# Allegro board 20250806_UNOQ.brd (continued)
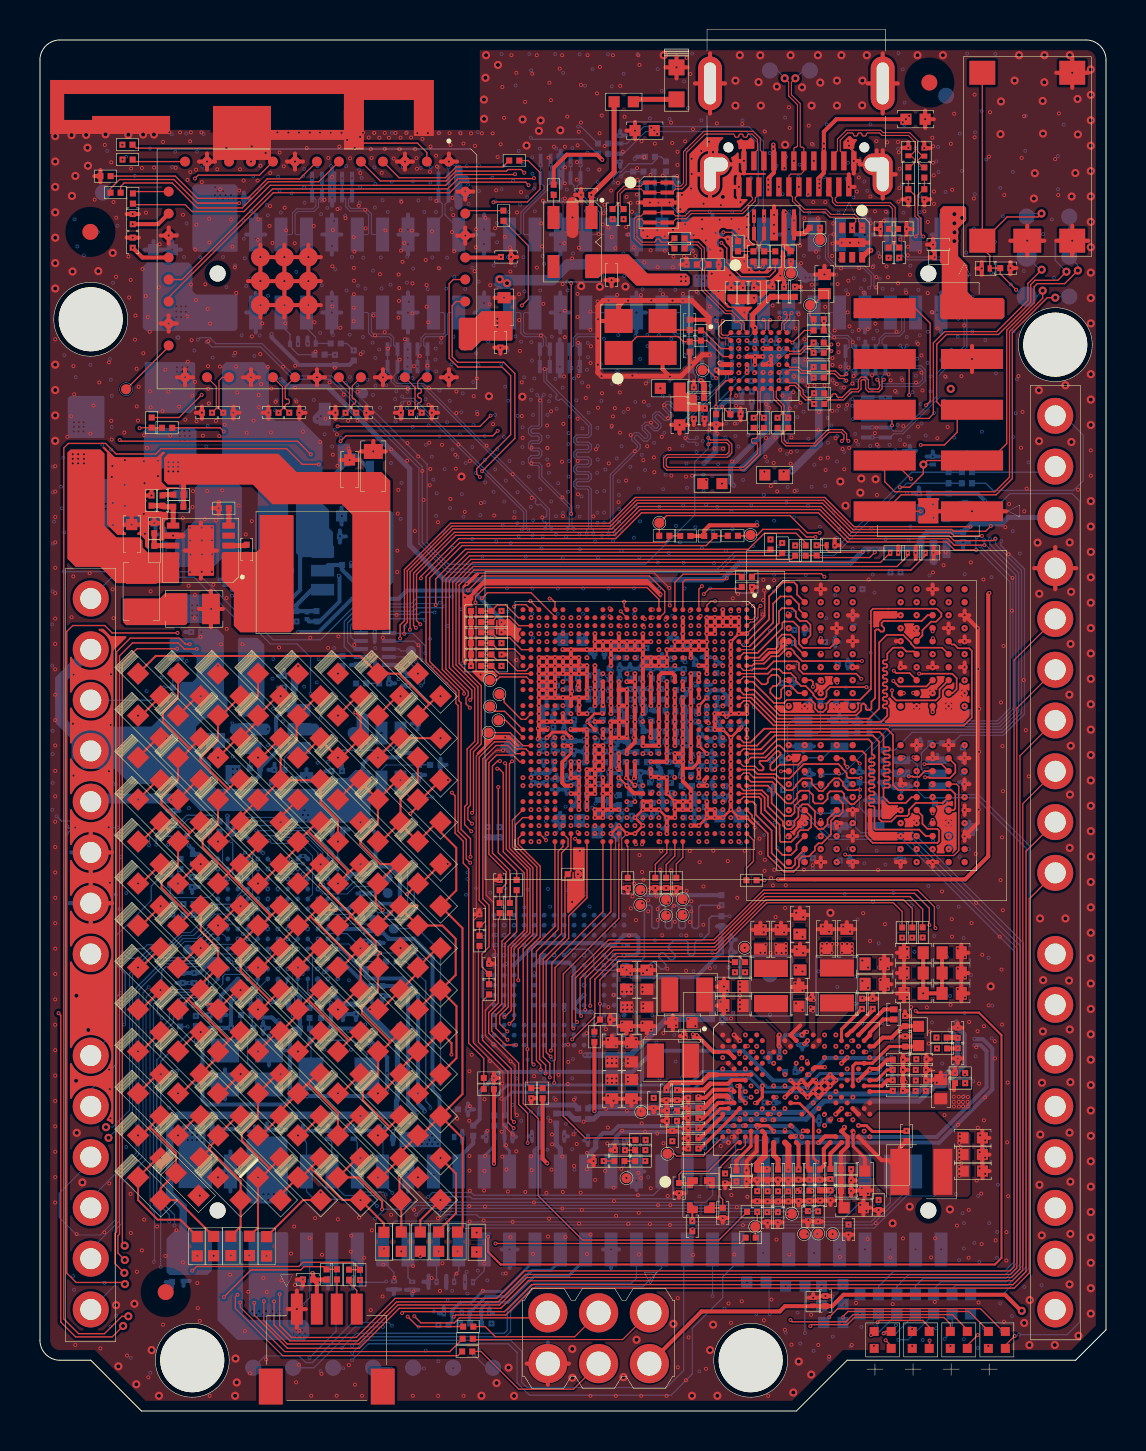
[diagram p0: board, top side]
## Placement (name value [footprint] x y rotation side) (continued)
NOREF#421  -  []  19.33 6.3 90 top
NOREF#422  -  []  32.06 31.42 0 top
NOREF#423  -  []  33.38 13.84 0 top
NOREF#424  -  []  37.54 6.75 0 top
NOREF#425  -  []  29.68 37.63 0 top
NOREF#426  -  []  7.16 19.18 90 top
NOREF#427  -  []  37.77 38.26 0 top
NOREF#428  -  []  32.64 32.67 0 top
NOREF#429  -  []  31.09 37.5 90 top
NOREF#430  -  []  10.59 14.09 0 top
NOREF#431  -  []  18.75 5.94 90 top
NOREF#432  -  []  39.81 31.53 0 top
NOREF#433  -  []  35.56 49.73 0 top
NOREF#434  -  []  6.75 36.49 0 top
NOREF#435  -  []  28.43 19.28 90 top
NOREF#436  -  []  44.21 22.16 0 top
NOREF#437  -  []  29.04 34.07 0 top
NOREF#438  -  []  16.17 41.24 0 top
NOREF#439  -  []  49.55 3.56 0 top
NOREF#440  -  []  9.5 38.04 90 top
NOREF#441  -  []  33.66 32.96 90 top
NOREF#442  -  []  22.69 38.14 0 top
NOREF#443  -  []  30.67 18.33 90 top
NOREF#444  -  []  38.78 10.04 0 top
NOREF#445  -  []  39.14 50.07 90 top
NOREF#446  -  []  28.23 33.13 0 top
NOREF#447  -  []  29.14 62.37 90 top
NOREF#448  -  []  34.01 9.61 90 top
NOREF#449  -  []  23.47 55.71 90 top
NOREF#450  -  []  26.36 33.57 0 top
NOREF#451  -  []  51.05 59.19 0 top
NOREF#452  -  []  37.3 11.04 0 top
NOREF#453  -  []  19.12 31.76 90 top
NOREF#454  -  []  43.23 15.87 90 top
NOREF#455  -  []  32.06 38.17 90 top
NOREF#456  -  []  35.52 40.92 90 top
NOREF#457  -  []  44.82 42.77 90 top
NOREF#458  -  []  12.96 18.98 90 top
NOREF#459  -  []  32.67 18.33 0 top
NOREF#460  -  []  9.19 19.77 90 top
NOREF#461  -  []  36.78 11.53 90 top
NOREF#462  -  []  15 29.64 0 top
NOREF#463  -  []  11.56 64.08 90 top
NOREF#464  -  []  11.45 31.48 0 top
NOREF#465  -  []  43.3 62.26 0 top
NOREF#466  -  []  34.16 13.43 90 top
NOREF#467  -  []  16.46 23.45 90 top
NOREF#468  -  []  33.86 57.05 90 top
NOREF#469  -  []  35.72 13.24 90 top
NOREF#470  -  []  40.64 11.38 90 top
NOREF#471  -  []  6.96 37.6 90 top
NOREF#472  -  []  41.45 32 0 top
NOREF#473  -  []  28.72 13.2 90 top
NOREF#474  -  []  33.32 35.31 0 top
NOREF#475  -  []  41.81 10.61 0 top
NOREF#476  -  []  31.21 61.28 0 top
NOREF#477  -  []  7.65 19.81 0 top
NOREF#478  -  []  39.59 24.12 90 top
NOREF#479  -  []  38.35 12.13 0 top
NOREF#480  -  []  34.5 34.51 0 top
NOREF#481  -  []  21.34 6.26 90 top
NOREF#482  -  []  34.25 25.25 90 top
NOREF#483  -  []  16.51 25.93 90 top
NOREF#484  -  []  36.62 51.25 0 top
NOREF#485  -  []  43.21 23.17 90 top
NOREF#486  -  []  27.65 12.65 90 top
NOREF#487  -  []  34.63 23.73 90 top
NOREF#488  -  []  43.05 42.77 90 top
NOREF#489  -  []  18.46 5.95 0 top
NOREF#490  -  []  28.54 31.51 90 top
NOREF#491  -  []  13.28 53.56 0 top
NOREF#492  -  []  33.38 21.63 0 top
NOREF#493  -  []  34.03 23.73 0 top
NOREF#494  -  []  35.42 13.84 0 top
NOREF#495  -  []  43.4 47.64 90 top
NOREF#496  -  []  14.49 6.53 90 top
NOREF#497  -  []  16.45 23.37 0 top
NOREF#498  -  []  35.71 8.37 90 top
NOREF#499  -  []  28.66 62.62 0 top
NOREF#500  -  []  10.56 43.93 90 top
NOREF#501  -  []  42.58 43.05 0 top
NOREF#502  -  []  40.25 62.67 0 top
NOREF#503  -  []  23.87 75.64 0 top
NOREF#504  -  []  41.25 63.21 0 top
NOREF#505  -  []  34.2 21.48 90 top
NOREF#506  -  []  21.24 13.55 90 top
NOREF#507  -  []  38.88 10.49 90 top
NOREF#508  -  []  25.25 59.63 0 top
NOREF#509  -  []  32.03 31.65 90 top
NOREF#510  -  []  33.58 21.03 0 top
NOREF#511  -  []  34 30.01 0 top
NOREF#512  -  []  7.6 50.87 0 top
NOREF#513  -  []  34.16 18.53 0 top
NOREF#514  -  []  33.68 13.24 90 top
NOREF#515  -  []  5.43 57.11 0 top
NOREF#516  -  []  46.26 40.46 90 top
NOREF#517  -  []  15.9 37.12 90 top
NOREF#518  -  []  14.74 50.09 90 top
NOREF#519  -  []  44.84 57.52 90 top
NOREF#520  -  []  31.59 61.55 0 top
NOREF#521  -  []  38.35 11.07 0 top
NOREF#522  -  []  12.98 39.45 90 top
NOREF#523  -  []  35.78 9.66 90 top
NOREF#524  -  []  20.99 5.07 0 top
NOREF#525  -  []  22.16 4.72 90 top
NOREF#526  -  []  3.79 0.96 90 top
NOREF#527  -  []  1.61 50.28 0 top
NOREF#528  -  []  20.99 4.75 90 top
NOREF#529  -  []  4.23 63.64 0 top
NOREF#530  -  []  30.49 4.91 90 top
NOREF#531  -  []  36.19 52.56 90 top
NOREF#532  -  []  4.79 58.74 0 top
NOREF#533  -  []  30.6 61.7 90 top
NOREF#534  -  []  10.62 14.09 0 top
NOREF#535  -  []  28.45 37.29 0 top
NOREF#536  -  []  24.85 57.53 90 top
NOREF#537  -  []  7.1 4.77 0 top
NOREF#538  -  []  43.94 45.06 0 top
NOREF#539  -  []  43.93 45.74 0 top
NOREF#540  -  []  21.97 37.54 90 top
NOREF#541  -  []  37.81 11.53 90 top
NOREF#542  -  []  6.21 49.48 0 top
NOREF#543  -  []  6.51 48.88 90 top
NOREF#544  -  []  40.55 39.2 0 top
NOREF#545  -  []  46.47 3.06 90 top
NOREF#546  -  []  32.99 13.79 0 top
NOREF#547  -  []  31.65 30.77 0 top
NOREF#548  -  []  12.99 14.13 0 top
NOREF#549  -  []  30.19 12.2 90 top
NOREF#550  -  []  26.34 13.58 90 top
NOREF#551  -  []  21.97 39.72 90 top
NOREF#552  -  []  40.67 18.81 0 top
NOREF#553  -  []  11.87 20.6 0 top
NOREF#554  -  []  10.03 64.55 90 top
NOREF#555  -  []  20.62 13.55 0 top
NOREF#556  -  []  30.67 62.44 90 top
NOREF#557  -  []  17.14 45.18 90 top
NOREF#558  -  []  37.58 29.56 0 top
NOREF#559  -  []  7.18 27.06 90 top
NOREF#560  -  []  39 55.87 0 top
NOREF#561  -  []  43.3 61.66 90 top
NOREF#562  -  []  32.31 34.63 90 top
NOREF#563  -  []  27.08 35.59 90 top
NOREF#564  -  []  27.78 34.51 90 top
NOREF#565  -  []  35.74 11.53 90 top
NOREF#566  -  []  32.65 19.68 0 top
NOREF#567  -  []  19.33 6.62 0 top
NOREF#568  -  []  28.5 59.57 90 top
NOREF#569  -  []  35.32 55.63 0 top
NOREF#570  -  []  31.09 44.08 0 top
NOREF#571  -  []  30.74 33.34 90 top
NOREF#572  -  []  43.44 19.81 90 top
NOREF#573  -  []  43.5 24.23 0 top
NOREF#574  -  []  39.39 14.38 90 top
NOREF#575  -  []  29.32 13.2 0 top
NOREF#576  -  []  35.41 8.97 0 top
NOREF#577  -  []  37.3 10.44 90 top
NOREF#578  -  []  44.1 61.16 0 top
NOREF#579  -  []  31.5 65.61 0 top
NOREF#580  -  []  13.05 49.05 0 top
NOREF#581  -  []  38.87 11.53 90 top
NOREF#582  -  []  34.54 15.42 90 top
NOREF#583  -  []  43.71 44.63 0 top
NOREF#584  -  []  34.13 11.93 0 top
NOREF#585  -  []  34.44 31.3 0 top
NOREF#586  -  []  7.52 38.81 90 top
NOREF#587  -  []  29.56 26.12 90 top
NOREF#588  -  []  31.79 14.05 90 top
NOREF#589  -  []  42.26 21.1 90 top
NOREF#590  -  []  45.77 18.19 0 top
NOREF#591  -  []  42.57 20.14 0 top
NOREF#592  -  []  22.25 28.65 0 top
NOREF#593  -  []  34.57 51.14 0 top
NOREF#594  -  []  44.47 5.84 0 top
NOREF#595  -  []  16.92 36.25 90 top
NOREF#596  -  []  45.26 18.38 90 top
NOREF#597  -  []  26.67 39.12 90 top
NOREF#598  -  []  45.29 17.84 90 top
NOREF#599  -  []  41.28 20.67 90 top
NOREF#600  -  []  29.98 33.33 0 top
NOREF#601  -  []  11.79 40.34 0 top
NOREF#602  -  []  28.68 35.21 0 top
NOREF#603  -  []  35.88 55.64 0 top
NOREF#604  -  []  21.12 4.67 0 top
NOREF#605  -  []  11.52 43.17 0 top
NOREF#606  -  []  14.11 45.02 0 top
NOREF#607  -  []  38.56 5.78 0 top
NOREF#608  -  []  40.22 9.92 0 top
NOREF#609  -  []  45.32 16.6 90 top
NOREF#610  -  []  38.29 18.86 0 top
NOREF#611  -  []  43.1 31.9 90 top
NOREF#612  -  []  26.87 32.97 90 top
NOREF#613  -  []  21.58 3.92 90 top
NOREF#614  -  []  27.21 32.83 90 top
NOREF#615  -  []  19.33 6.34 0 top
NOREF#616  -  []  30.61 30.78 0 top
NOREF#617  -  []  17.34 41.32 90 top
NOREF#618  -  []  26.2 31.64 90 top
NOREF#619  -  []  40.43 5.34 90 top
NOREF#620  -  []  5.43 58.11 90 top
NOREF#621  -  []  40.45 33.9 0 top
NOREF#622  -  []  44.97 4.84 90 top
NOREF#623  -  []  29.7 55.33 0 top
NOREF#624  -  []  42.31 58.24 0 top
NOREF#625  -  []  3.63 61.24 0 top
NOREF#626  -  []  4.79 59.92 0 top
NOREF#627  -  []  26.77 37.21 90 top
NOREF#628  -  []  23.47 54.71 0 top
NOREF#629  -  []  27.29 13.41 90 top
NOREF#630  -  []  29.1 19.23 90 top
NOREF#631  -  []  1.06 49.93 0 top
NOREF#632  -  []  35.86 49.13 90 top
NOREF#633  -  []  17.84 5.96 90 top
NOREF#634  -  []  40.47 61.23 90 top
NOREF#635  -  []  22.36 5.02 0 top
NOREF#636  -  []  13.64 19.61 90 top
NOREF#637  -  []  38.86 6.26 0 top
NOREF#638  -  []  14.45 43.6 90 top
NOREF#639  -  []  25.68 14.93 0 top
NOREF#640  -  []  21.97 39.16 90 top
NOREF#641  -  []  8.63 19.77 90 top
NOREF#642  -  []  23.88 62.25 90 top
NOREF#643  -  []  31.6 31.27 0 top
NOREF#644  -  []  15.01 6.53 90 top
NOREF#645  -  []  35.57 37.88 90 top
NOREF#646  -  []  12.68 40.05 0 top
NOREF#647  -  []  32.99 15.82 0 top
NOREF#648  -  []  22.89 53.15 90 top
NOREF#649  -  []  31.07 32.41 90 top
NOREF#650  -  []  16.38 49.79 90 top
NOREF#651  -  []  7.13 25.21 90 top
NOREF#652  -  []  37.41 58.06 0 top
NOREF#653  -  []  28.31 34.52 90 top
NOREF#654  -  []  38.16 43.34 0 top
NOREF#655  -  []  32.39 14.81 90 top
NOREF#656  -  []  44.17 4.91 0 top
NOREF#657  -  []  33.89 45.89 90 top
NOREF#658  -  []  43.16 62.9 0 top
NOREF#659  -  []  28.89 62.5 90 top
NOREF#660  -  []  34.08 34.26 90 top
NOREF#661  -  []  45.52 4.01 0 top
NOREF#662  -  []  25.74 34.03 0 top
NOREF#663  -  []  30.6 35.75 0 top
NOREF#664  -  []  30.07 31.59 90 top
NOREF#665  -  []  17.3 21.31 0 top
NOREF#666  -  []  26.2 31.04 0 top
NOREF#667  -  []  47.98 4.91 0 top
NOREF#668  -  []  14.2 39.12 0 top
NOREF#669  -  []  36.29 23.09 0 top
NOREF#670  -  []  17.63 25.22 0 top
NOREF#671  -  []  15.34 50.09 0 top
NOREF#672  -  []  49 58.49 90 top
NOREF#673  -  []  21.97 38.11 90 top
NOREF#674  -  []  23.52 13.83 90 top
NOREF#675  -  []  17.56 45.53 90 top
NOREF#676  -  []  18.46 5.95 90 top
NOREF#677  -  []  33.42 29.65 90 top
NOREF#678  -  []  25.91 13.55 90 top
NOREF#679  -  []  15.97 20.4 0 top
NOREF#680  -  []  51.05 66.29 90 top
NOREF#681  -  []  21.16 6.61 0 top
NOREF#682  -  []  6.83 30.58 0 top
NOREF#683  -  []  36.77 9.99 0 top
NOREF#684  -  []  38.81 54.91 0 top
NOREF#685  -  []  31.45 65.61 0 top
NOREF#686  -  []  8.5 32.64 0 top
NOREF#687  -  []  21.53 2.68 90 top
NOREF#688  -  []  10.11 19.01 0 top
NOREF#689  -  []  1.61 49.14 90 top
NOREF#690  -  []  32.2 18.91 90 top
NOREF#691  -  []  40.25 35.1 90 top
NOREF#692  -  []  43.23 16.39 90 top
NOREF#693  -  []  15.62 6.52 90 top
NOREF#694  -  []  44.99 18.44 0 top
NOREF#695  -  []  46.36 32 0 top
NOREF#696  -  []  8.67 14.25 90 top
NOREF#697  -  []  38.92 58.88 90 top
NOREF#698  -  []  32.06 37.57 0 top
NOREF#699  -  []  31.83 10.85 90 top
NOREF#700  -  []  32.39 15.31 90 top
NOREF#701  -  []  40.78 5.84 0 top
NOREF#702  -  []  40.75 34.5 90 top
NOREF#703  -  []  18.58 36.25 90 top
NOREF#704  -  []  22.85 28.65 0 top
NOREF#705  -  []  31.83 11.45 0 top
NOREF#706  -  []  28.91 63.42 90 top
NOREF#707  -  []  19.23 63.73 0 top
NOREF#708  -  []  24.87 14.93 0 top
NOREF#709  -  []  27.63 60.98 0 top
NOREF#710  -  []  37.92 55.68 0 top
NOREF#711  -  []  45.62 4.91 0 top
NOREF#712  -  []  44.38 16.91 90 top
NOREF#713  -  []  28.83 33.13 90 top
NOREF#714  -  []  47.2 56.96 90 top
NOREF#715  -  []  13.46 39.58 90 top
NOREF#716  -  []  45.24 58.5 0 top
NOREF#717  -  []  39.45 5.8 90 top
NOREF#718  -  []  19.65 49.79 90 top
NOREF#719  -  []  9.56 46.43 0 top
NOREF#720  -  []  32.47 9.99 0 top
NOREF#721  -  []  9.65 60.5 90 top
NOREF#722  -  []  33.69 19.45 0 top
NOREF#723  -  []  10.9 31.85 90 top
NOREF#724  -  []  40.31 9.38 0 top
NOREF#725  -  []  25.13 34.57 90 top
NOREF#726  -  []  46.15 45.47 0 top
NOREF#727  -  []  33.48 34.26 0 top
NOREF#728  -  []  35.06 50.63 0 top
NOREF#729  -  []  27.48 14.76 90 top
NOREF#730  -  []  21.25 3.91 0 top
NOREF#731  -  []  49.55 48.8 90 top
NOREF#732  -  []  29.7 32.41 0 top
NOREF#733  -  []  18.21 13.49 0 top
NOREF#734  -  []  34.1 33.7 90 top
NOREF#735  -  []  29.46 64.99 90 top
NOREF#736  -  []  47.17 13.41 90 top
NOREF#737  -  []  40.04 10.86 0 top
NOREF#738  -  []  29.14 33.01 90 top
NOREF#739  -  []  37.92 56.28 90 top
NOREF#740  -  []  27.76 33.89 90 top
NOREF#741  -  []  15.3 19.8 90 top
NOREF#742  -  []  38.27 10.05 0 top
NOREF#743  -  []  46.26 27.46 90 top
NOREF#744  -  []  39.4 11.55 90 top
NOREF#745  -  []  36.25 11.53 90 top
NOREF#746  -  []  24.43 16.2 0 top
NOREF#747  -  []  26.18 34.44 90 top
NOREF#748  -  []  10 43.14 0 top
NOREF#749  -  []  22.2 13.59 90 top
NOREF#750  -  []  37.97 50.54 90 top
NOREF#751  -  []  32.8 18.91 0 top
NOREF#752  -  []  39.59 23.12 0 top
NOREF#753  -  []  42.57 19.54 90 top
NOREF#754  -  []  31.47 61.95 90 top
NOREF#755  -  []  33.5 33.7 0 top
NOREF#756  -  []  43.72 4.91 0 top
NOREF#757  -  []  45.62 46.92 90 top
NOREF#758  -  []  31.79 13.45 0 top
NOREF#759  -  []  9.19 20.37 0 top
NOREF#760  -  []  26.77 36.61 0 top
NOREF#761  -  []  28.86 31.36 0 top
NOREF#762  -  []  25.31 36.67 90 top
NOREF#763  -  []  35.7 52.45 0 top
NOREF#764  -  []  31 31.78 90 top
NOREF#765  -  []  34.03 23.1 0 top
NOREF#766  -  []  41.35 34.5 0 top
NOREF#767  -  []  33.21 30.88 0 top
NOREF#768  -  []  6.38 43.29 90 top
NOREF#769  -  []  19.63 32.62 0 top
NOREF#770  -  []  35.06 51.14 90 top
NOREF#771  -  []  35.74 12.13 0 top
NOREF#772  -  []  20.22 6.62 0 top
NOREF#773  -  []  47.24 56.79 90 top
NOREF#774  -  []  39.95 35.7 0 top
NOREF#775  -  []  43.3 62.69 0 top
NOREF#776  -  []  44.21 18.26 90 top
NOREF#777  -  []  16.72 22.08 90 top
NOREF#778  -  []  17.3 20.71 90 top
NOREF#779  -  []  37.05 17.54 0 top
NOREF#780  -  []  32.57 50.19 0 top
NOREF#781  -  []  24.51 13.62 0 top
NOREF#782  -  []  32.38 36.21 90 top
NOREF#783  -  []  0.51 68.08 0 top
NOREF#784  -  []  7.26 28.45 90 top
NOREF#785  -  []  7.6 49.73 90 top
NOREF#786  -  []  15.45 49.58 90 top
NOREF#787  -  []  44.53 45.74 90 top
NOREF#788  -  []  42.63 15.87 0 top
NOREF#789  -  []  22.99 36.97 90 top
NOREF#790  -  []  44.38 16.38 90 top
NOREF#791  -  []  22.25 29.25 90 top
NOREF#792  -  []  7.5 27.91 90 top
NOREF#793  -  []  29.7 33.01 90 top
NOREF#794  -  []  30.64 26.72 0 top
NOREF#795  -  []  31.78 34.11 0 top
NOREF#796  -  []  7.62 20.01 90 top
NOREF#797  -  []  8.9 21.61 90 top
NOREF#798  -  []  28.13 19.88 0 top
NOREF#799  -  []  39.87 37.51 0 top
NOREF#800  -  []  16.89 13.62 90 top
NOREF#801  -  []  26.51 27.15 0 top
NOREF#802  -  []  34.45 14.28 90 top
NOREF#803  -  []  44.21 21.14 0 top
NOREF#804  -  []  39.36 5.26 90 top
NOREF#805  -  [unnamed#3]  2.52 58.98 0 top
NOREF#806  -  []  44.05 4.84 90 top
NOREF#807  -  []  38.16 52.52 90 top
NOREF#808  -  []  37.38 56.28 90 top
NOREF#809  -  []  21.23 3.28 0 top
NOREF#810  -  []  25.3 35.08 90 top
NOREF#811  -  []  24.49 13.62 90 top
NOREF#812  -  []  28.45 36.24 0 top
NOREF#813  -  []  40.15 32.88 90 top
NOREF#814  -  []  22.6 4.75 90 top
NOREF#815  -  []  32.92 54.1 0 top
NOREF#816  -  []  17.37 13.88 90 top
NOREF#817  -  []  32.99 14.3 0 top
NOREF#818  -  []  43.8 23.63 90 top
NOREF#819  -  []  36.56 32.7 0 top
NOREF#820  -  []  15.98 27.43 90 top
NOREF#821  -  []  29.24 34.69 90 top
NOREF#822  -  []  22.99 39.72 90 top
NOREF#823  -  []  10.95 0.32 0 top
NOREF#824  -  []  33.92 35.31 90 top
NOREF#825  -  []  8.44 13.65 0 top
NOREF#826  -  []  6.67 26.28 90 top
NOREF#827  -  []  30.11 35.75 90 top
NOREF#828  -  []  28.33 62.59 90 top
NOREF#829  -  []  7.1 4.77 0 top
NOREF#830  -  []  32.19 30.34 0 top
NOREF#831  -  []  29.11 13.64 90 top
NOREF#832  -  []  22.61 16.36 90 top
NOREF#833  -  []  43.07 59.24 0 top
NOREF#834  -  []  7.6 45.57 90 top
NOREF#835  -  []  30.26 61.27 90 top
NOREF#836  -  []  30.3 62.3 0 top
NOREF#837  -  []  40.04 11.38 0 top
NOREF#838  -  []  38.84 51.21 0 top
NOREF#839  -  []  30.53 32.41 90 top
NOREF#840  -  []  27.4 36.27 0 top
NOREF#841  -  []  11.61 16.59 90 top
NOREF#842  -  []  31.55 37.15 90 top
NOREF#843  -  []  31.13 30.25 90 top
NOREF#844  -  []  25.14 33.17 0 top
NOREF#845  -  []  11.54 33.15 90 top
NOREF#846  -  []  27.89 18.42 90 top
NOREF#847  -  []  39.3 50.88 90 top
NOREF#848  -  []  29.35 15.6 90 top
NOREF#849  -  []  28 36.27 90 top
NOREF#850  -  []  14.49 6.25 90 top
NOREF#851  -  []  12.43 49.79 0 top
NOREF#852  -  []  52.6 59.64 90 top
NOREF#853  -  []  13.64 18.84 0 top
NOREF#854  -  []  43.3 61.16 0 top
NOREF#855  -  []  35.77 40.48 90 top
NOREF#856  -  []  33 34.44 90 top
NOREF#857  -  []  30.64 34.38 0 top
NOREF#858  -  []  37.17 38.26 90 top
NOREF#859  -  []  44.73 30.54 0 top
NOREF#860  -  []  36.22 15.58 0 top
NOREF#861  -  []  35.22 41.52 0 top
NOREF#862  -  []  19.93 32.02 90 top
NOREF#863  -  []  20.28 4.69 90 top
NOREF#864  -  []  22.99 38.11 90 top
NOREF#865  -  []  42.84 57.64 90 top
NOREF#866  -  []  23.75 13.56 90 top
NOREF#867  -  []  29.34 13.37 90 top
NOREF#868  -  []  16.85 14.12 0 top
NOREF#869  -  []  20.04 4.61 0 top
NOREF#870  -  []  45.39 5.84 0 top
NOREF#871  -  []  37.97 50.54 0 top
NOREF#872  -  []  30.5 38.22 0 top
NOREF#873  -  []  36.25 9.39 90 top
NOREF#874  -  []  34.63 23.1 90 top
NOREF#875  -  []  17.56 45.35 90 top
NOREF#876  -  []  29.85 18.44 90 top
NOREF#877  -  []  29.72 35.23 0 top
NOREF#878  -  []  14.6 19.28 90 top
NOREF#879  -  []  44.21 23.17 0 top
NOREF#880  -  []  44.96 18.98 0 top
NOREF#881  -  []  20.86 15.24 0 top
NOREF#882  -  []  11.75 30.88 90 top
NOREF#883  -  []  32.03 32.16 90 top
NOREF#884  -  []  29.05 29.62 90 top
NOREF#885  -  []  17.55 5.97 0 top
NOREF#886  -  []  45.25 33.7 0 top
NOREF#887  -  []  30.2 13.26 90 top
NOREF#888  -  []  45.02 4.06 90 top
NOREF#889  -  []  29.05 37.29 90 top
NOREF#890  -  []  31.59 33.02 0 top
NOREF#891  -  []  33.31 34.78 0 top
NOREF#892  -  []  32.99 14.81 0 top
NOREF#893  -  []  50.8 22.86 90 top
NOREF#894  -  []  44.35 43.05 0 top
NOREF#895  -  []  29.48 36.26 0 top
NOREF#896  -  []  8.4 28.11 0 top
NOREF#897  -  []  31.05 30.77 90 top
NOREF#898  -  []  4.79 44.78 0 top
NOREF#899  -  []  30.74 34.89 90 top
NOREF#900  -  []  8.44 13.65 90 top
NOREF#901  -  []  44.4 60.56 90 top
NOREF#902  -  []  45.89 4.84 90 top
NOREF#903  -  []  23.13 13.56 0 top
NOREF#904  -  []  34.62 22.5 0 top
NOREF#905  -  []  8.31 29.54 0 top
NOREF#906  -  []  36.25 9.99 0 top
NOREF#907  -  []  29.14 37.63 0 top
NOREF#908  -  []  10.01 18.79 0 top
NOREF#909  -  []  24.51 13.58 90 top
NOREF#910  -  []  43.71 43.38 90 top
NOREF#911  -  []  8.63 20.37 0 top
NOREF#912  -  []  12.09 39.74 90 top
NOREF#913  -  []  38.53 5.16 90 top
NOREF#914  -  []  32.82 51.51 0 top
NOREF#915  -  []  15.3 28.44 90 top
NOREF#916  -  []  13.31 13.51 90 top
NOREF#917  -  []  29.05 60.17 0 top
NOREF#918  -  []  16.05 13.89 90 top
NOREF#919  -  []  35.74 10.44 90 top
NOREF#920  -  []  28.8 52.13 90 top
NOREF#921  -  []  32.35 35.16 90 top
NOREF#922  -  []  29.38 33.33 90 top
NOREF#923  -  []  36.75 13.24 90 top
NOREF#924  -  []  37.33 23.09 0 top
NOREF#925  -  []  37.81 10.46 90 top
NOREF#926  -  []  13.6 50.29 0 top
NOREF#927  -  []  29.37 36.58 0 top
NOREF#928  -  []  38.78 20.67 90 top
NOREF#929  -  []  16.16 6.51 90 top
NOREF#930  -  []  45.32 46.45 0 top
NOREF#931  -  []  37.56 53.12 0 top
NOREF#932  -  []  30.38 32 90 top
NOREF#933  -  []  42.63 17.43 0 top
NOREF#934  -  []  12.79 53.02 0 top
NOREF#935  -  []  34.24 35.43 0 top
NOREF#936  -  []  7.1 4.77 0 top
NOREF#937  -  []  13.77 53.27 90 top
NOREF#938  -  []  25.73 13.58 0 top
NOREF#939  -  []  8.5 38.64 0 top
NOREF#940  -  []  45.77 17.59 90 top
NOREF#941  -  []  10.56 45.83 90 top
NOREF#942  -  []  25.91 36.13 0 top
NOREF#943  -  []  27.94 32.05 0 top
NOREF#944  -  []  42.85 58.66 90 top
NOREF#945  -  []  28.86 62.38 0 top
NOREF#946  -  [unnamed#2]  2.54 54.61 0 top
NOREF#947  -  []  47.01 56.99 0 top
NOREF#948  -  []  7.86 65.13 0 top
NOREF#949  -  []  43.23 17.43 90 top
NOREF#950  -  []  15.98 26.83 0 top
NOREF#951  -  []  16.4 38.82 90 top
NOREF#952  -  []  7.18 25.96 90 top
NOREF#953  -  []  31.48 26.12 90 top
NOREF#954  -  []  35.75 26.25 90 top
NOREF#955  -  []  14.96 31.45 0 top
NOREF#956  -  []  38.04 5.75 90 top
NOREF#957  -  []  43.27 58.95 90 top
NOREF#958  -  []  29.11 13.64 0 top
NOREF#959  -  []  33.53 61.86 0 top
NOREF#960  -  []  44.6 33.25 0 top
NOREF#961  -  []  31.75 35.16 0 top
NOREF#962  -  []  11.98 50.09 0 top
NOREF#963  -  []  30.29 29.75 90 top
NOREF#964  -  []  10.21 19.77 90 top
NOREF#965  -  []  29.05 36.78 90 top
NOREF#966  -  []  35.6 6.94 0 top
NOREF#967  -  []  33.17 37.16 0 top
NOREF#968  -  []  31.53 38.11 0 top
NOREF#969  -  []  31.39 61.25 90 top
NOREF#970  -  []  8.84 29.54 0 top
NOREF#971  -  []  15.55 6.28 90 top
NOREF#972  -  []  14.07 46.88 0 top
NOREF#973  -  []  40.64 10.86 90 top
NOREF#974  -  []  10.62 13.59 90 top
NOREF#975  -  []  38.35 10.47 90 top
NOREF#976  -  []  14.99 37.22 0 top
NOREF#977  -  []  26.11 13.85 90 top
NOREF#978  -  []  15.88 47.18 0 top
NOREF#979  -  []  14.45 59.96 0 top
NOREF#980  -  []  6.37 26.88 0 top
NOREF#981  -  []  36.29 24.09 90 top
NOREF#982  -  []  26.81 26.55 90 top
NOREF#983  -  []  43.8 17.44 0 top
NOREF#984  -  []  10 41.54 90 top
NOREF#985  -  []  35.32 56.23 90 top
NOREF#986  -  []  28.91 13.34 90 top
NOREF#987  -  []  17.85 33.87 0 top
NOREF#988  -  []  40.41 31.53 90 top
NOREF#989  -  []  42.56 58.98 0 top
NOREF#990  -  []  37.9 35.25 0 top
NOREF#991  -  []  29.22 6.18 0 top
NOREF#992  -  []  43.18 28.15 0 top
NOREF#993  -  []  47.18 11.75 90 top
NOREF#994  -  []  45.77 18.62 0 top
NOREF#995  -  []  27.59 19.02 0 top
NOREF#996  -  []  38.62 59.48 0 top
NOREF#997  -  []  36.19 53.46 0 top
NOREF#998  -  []  8.66 50.09 0 top
NOREF#999  -  []  46.19 16.1 90 top
NOREF#1000  -  []  29.12 30.26 90 top
NOREF#1001  -  []  7.05 6.63 90 top
NOREF#1002  -  []  37.12 50.25 90 top
NOREF#1003  -  []  7.95 19.21 90 top
NOREF#1004  -  []  8.5 43.1 0 top
NOREF#1005  -  []  20.22 15.05 90 top
NOREF#1006  -  []  46.45 44.87 90 top
NOREF#1007  -  []  15.74 46.59 0 top
NOREF#1008  -  []  37.59 49.13 90 top
NOREF#1009  -  []  39.25 31.3 90 top
NOREF#1010  -  []  23.04 60.09 0 top
NOREF#1011  -  []  31.73 16.1 0 top
NOREF#1012  -  []  47.17 12.58 90 top
NOREF#1013  -  []  14.61 52.88 0 top
NOREF#1014  -  []  14.29 6.31 90 top
NOREF#1015  -  []  32.19 30.85 0 top
NOREF#1016  -  []  43.71 18.96 0 top
NOREF#1017  -  []  13.92 20.21 0 top
NOREF#1018  -  []  45.91 34.82 90 top
NOREF#1019  -  []  15.78 49.79 0 top
NOREF#1020  -  []  37.64 43.34 0 top
NOREF#1021  -  []  25.85 60.79 90 top
NOREF#1022  -  []  14.46 29.64 0 top
NOREF#1023  -  []  22.22 13.59 0 top
NOREF#1024  -  []  36 51.85 90 top
NOREF#1025  -  []  4.53 63.04 90 top
NOREF#1026  -  []  41.24 18.81 315 top
NOREF#1027  -  []  14.11 16.12 0 top
NOREF#1028  -  []  22.69 38.71 0 top
NOREF#1029  -  []  40.49 11.8 90 top
NOREF#1030  -  []  31.69 26.72 0 top
NOREF#1031  -  []  44.1 10.71 90 top
NOREF#1032  -  []  31.65 19.68 90 top
NOREF#1033  -  []  27.3 13.38 90 top
NOREF#1034  -  []  45.32 47.52 0 top
NOREF#1035  -  []  19.32 6.34 90 top
NOREF#1036  -  []  28.63 37.64 0 top
NOREF#1037  -  []  37.38 22.26 90 top
NOREF#1038  -  []  43.93 42.77 90 top
NOREF#1039  -  []  36.7 53.46 0 top
NOREF#1040  -  []  6.08 43.89 0 top
NOREF#1041  -  []  29.47 31.59 0 top
NOREF#1042  -  []  11.38 50.09 90 top
NOREF#1043  -  []  42.62 5.84 0 top
NOREF#1044  -  []  22.31 16.96 0 top
NOREF#1045  -  []  35.37 52.86 0 top
NOREF#1046  -  []  29.68 38.23 90 top
NOREF#1047  -  []  28.86 18.44 90 top
NOREF#1048  -  []  32.82 50.97 0 top
NOREF#1049  -  []  27.94 31.51 0 top
NOREF#1050  -  []  34.4 13.84 0 top
NOREF#1051  -  []  34.57 53.94 0 top
NOREF#1052  -  []  32.14 44.07 0 top
NOREF#1053  -  []  7.02 6.4 0 top
NOREF#1054  -  []  46.17 13.41 0 top
NOREF#1055  -  []  34.16 13.43 90 top
NOREF#1056  -  []  27.4 36.95 0 top
NOREF#1057  -  []  14.32 42.79 90 top
NOREF#1058  -  []  28.8 55.33 0 top
NOREF#1059  -  []  32.57 49.59 90 top
NOREF#1060  -  []  32.77 10.29 90 top
NOREF#1061  -  []  22.4 13.52 90 top
NOREF#1062  -  []  7.05 50.52 0 top